# Altium PCB Thunderscope_Rev4.1.PCBDOC (part 6 of 7)
Units mm, origin at the board's own origin, x right, y up, seen from the top; angles counter-clockwise.
Board outline 119 x 103.6 mm, 6 copper layers (Top Layer, Int1 (GND), Int2 (Sign), Int3 (Sign), Int4 (GND), Bottom Layer), stack 1.49 mm thick; 657 components, 383 nets, 2206 pads, 1358 vias.
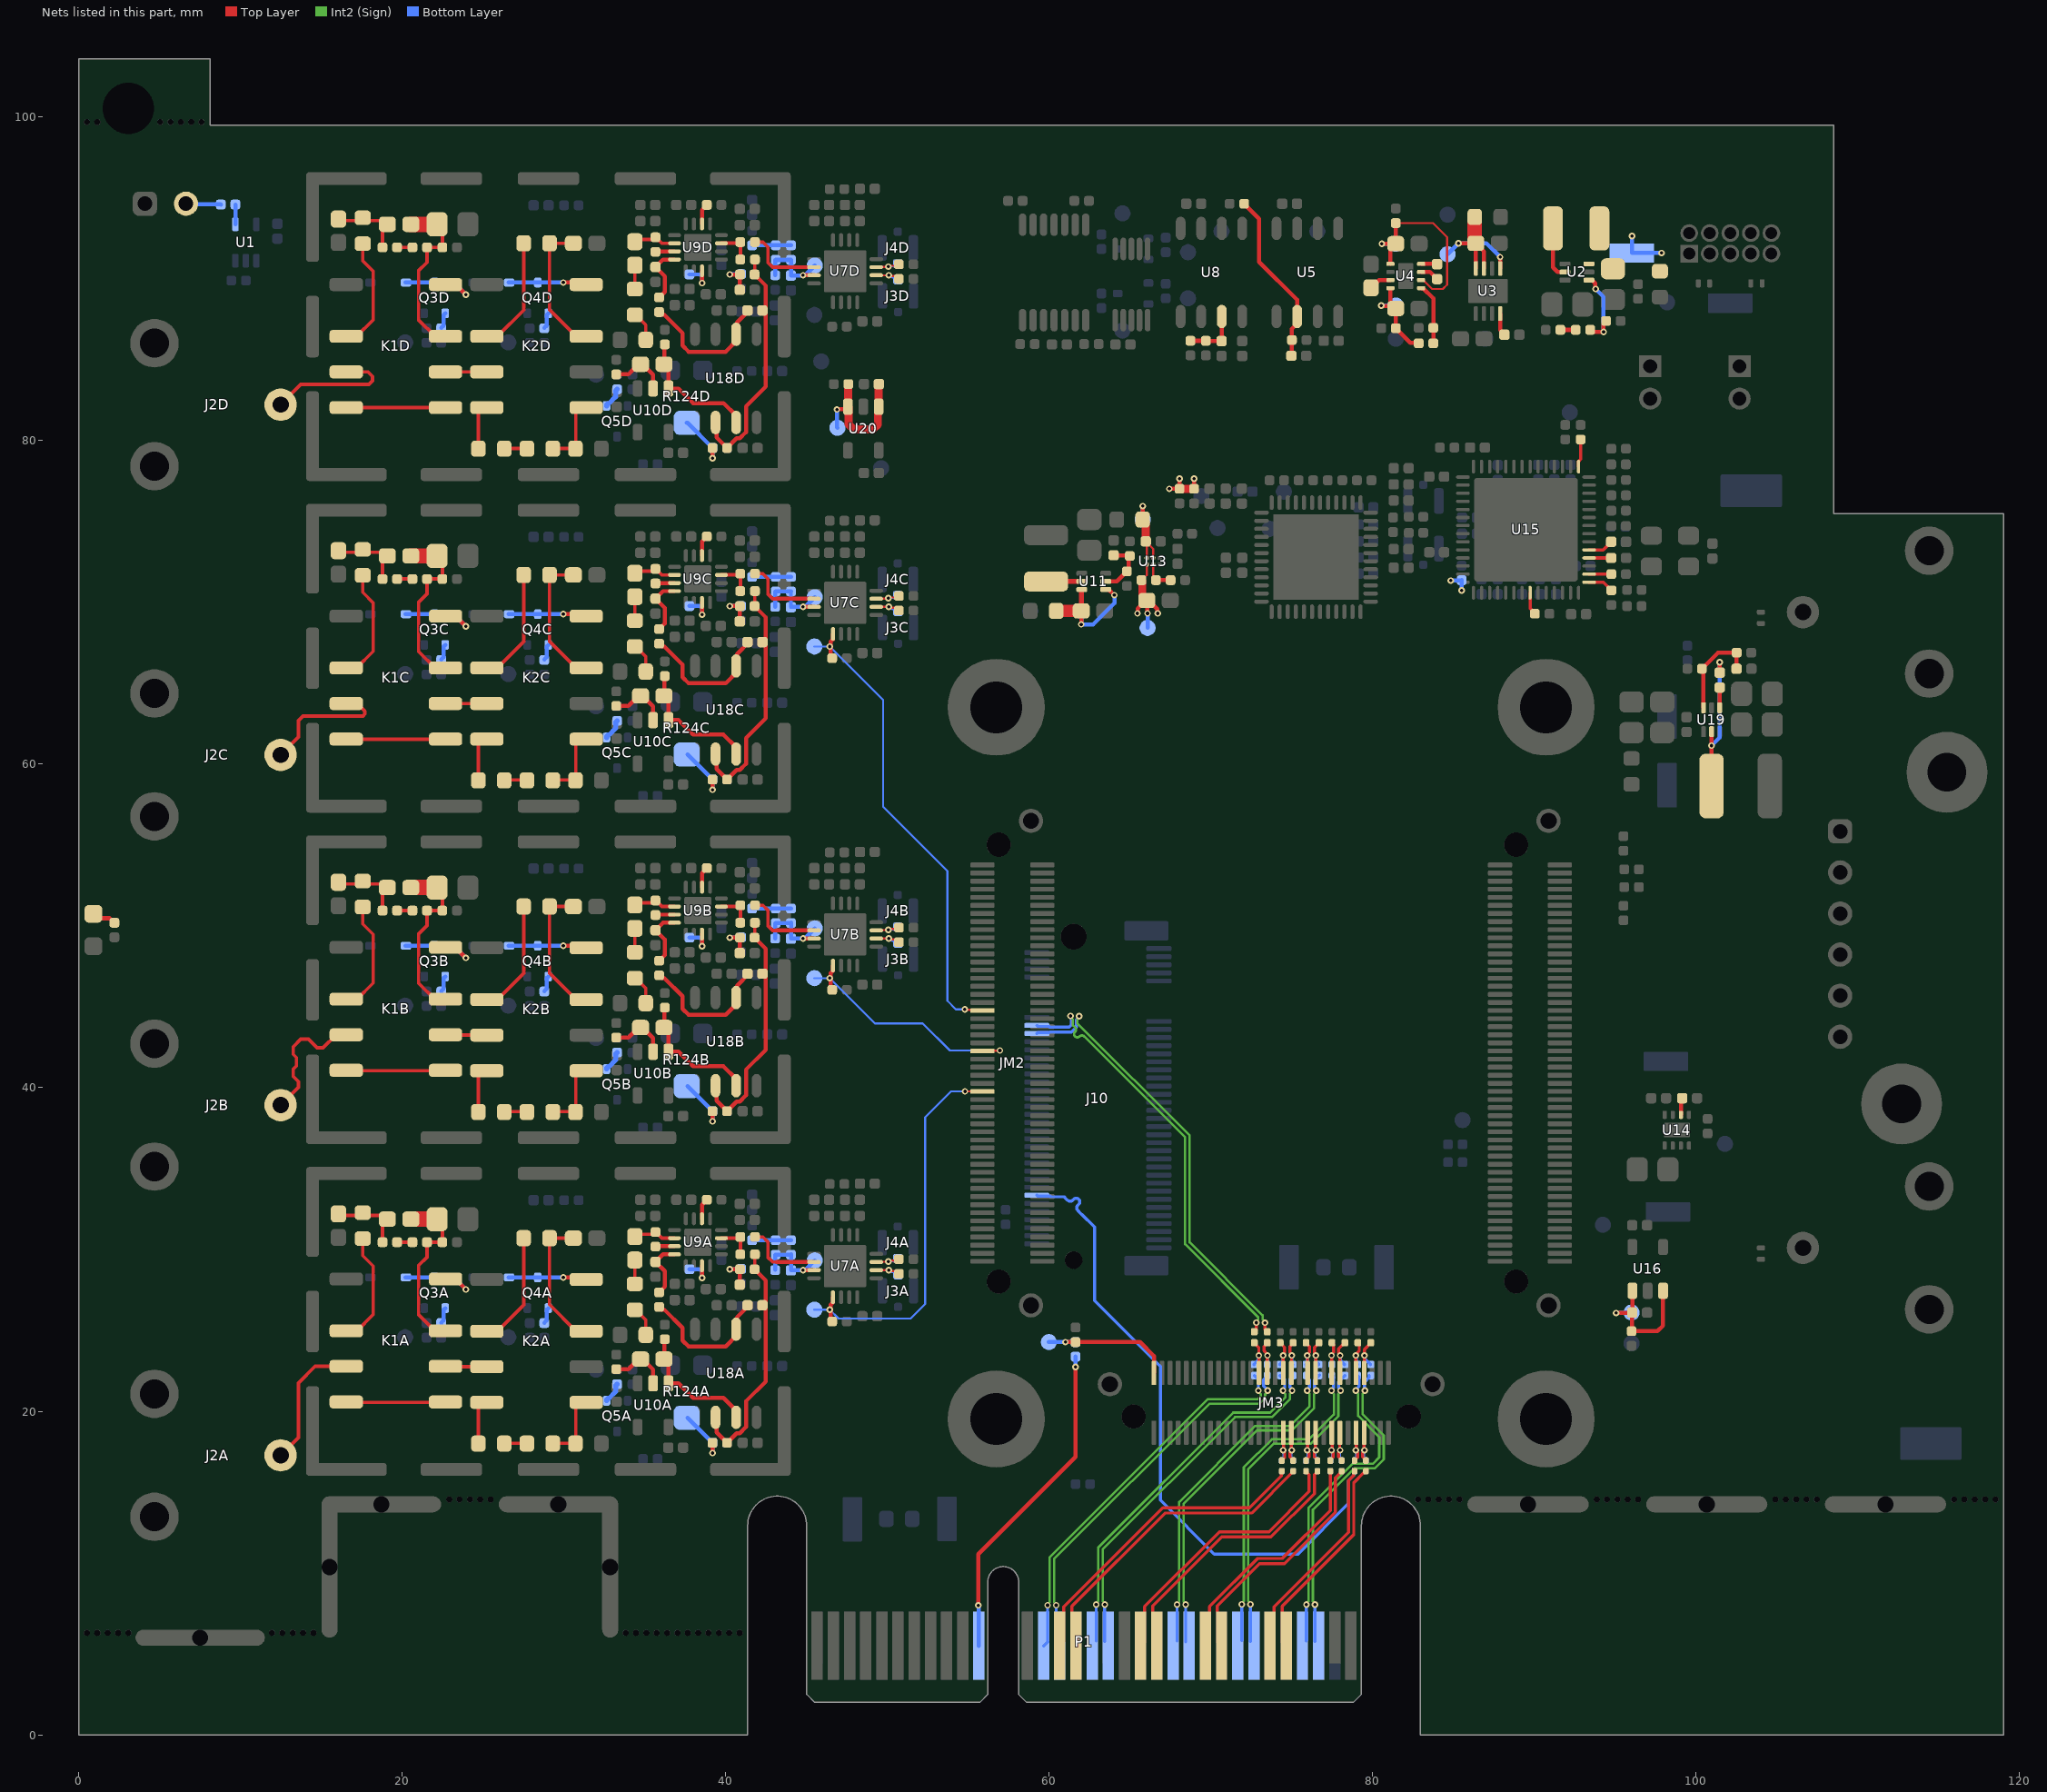
[diagram p10: the nets of this part, all layers, seen from the top]

## Via types
v1: diameter 0.406, hole 0.203, Top Layer to Bottom Layer, tented both sides, 1358 vias

## Nets (pads, with @x,y where several pads share a name; then routed paths per layer and width w, separated by ;. In a path a pad name is that pad's centre, name@x,y a point inside that pad or via, vN(x,y) a via of type N, cw(c..) or ccw(c..) an arc to the next point about the centre after c; other vN are vias at no path point) (continued)
M2_PET3_P: J10.14 R71.2 | length 40.1
  Bottom Layer w0.191: J10.14@59.225,33.35 59.282,33.293 60.069,33.293 60.103,33.259 60.916,33.259 61.062,33.112 61.13,33.045 ccw(c61.287,33.202) 61.444,33.045 61.504,33.104 cw(c61.661,32.947) 61.818,33.104 cw(c61.661,32.947) 61.818,32.79 61.759,32.73 ccw(c61.916,32.573) 61.759,32.416 61.932,32.242 62,32.175 62.793,31.382 62.793,26.832 66.868,22.757 66.868,14.507 70.199,11.175 75.375,11.175 78.506,14.306 78.506,15.72 78.809,16.023 78.809,16.234 R71.2@78.875,16.3
M2_REFCLK_N: C80.1 J10.54 | length 27.8
  Top Layer w0.191: v1(73.33,25.473) 73.33,25.361 73.342,25.35 73.342,25.048 C80.1@73.475,24.915
  Int2 (Sign) w0.148: v1(61.85,44.425) 61.85,44.355 61.725,44.23 61.725,44 68.675,37.05 68.675,30.439 73.187,25.927 73.187,25.687 73.33,25.543 v1(73.33,25.473)
  Bottom Layer w0.191: J10.54@59.225,43.35 59.282,43.407 59.982,43.407 60.016,43.441 61.36,43.441 61.676,43.757 61.676,44.192 61.85,44.367 v1(61.85,44.425)
M2_REFCLK_P: C81.1 J10.56 | length 27.7
  Top Layer w0.191: C81.1@72.675,24.915 72.808,25.048 72.808,25.462 72.82,25.473 v1(72.797,25.475) v1(72.797,25.475)
  Int2 (Sign) w0.148: v1(61.317,44.436) 61.317,44.366 61.45,44.233 61.45,44.054 61.45,43.886 61.593,43.743 cw(c61.451,43.601) 61.593,43.459 ccw(c61.735,43.317) 61.593,43.174 ccw(c61.735,43.317) 61.878,43.174 cw(c62.02,43.032) 62.162,43.175 62.214,43.122 68.4,36.936 68.4,30.325 72.912,25.813 72.912,25.659 72.797,25.545 v1(72.797,25.475)
  Bottom Layer w0.191: J10.56@59.225,43.85 59.282,43.793 59.982,43.793 60.016,43.759 61.229,43.759 61.358,43.888 61.358,44.395 v1(61.317,44.436)
MGT_CLK1_N: C40.2 C80.2 JM3.32 | length 2.6
  Top Layer w0.191: JM3.32@73.468,22.372 73.476,22.38 73.476,23.443 v1(73.485,23.452) 73.443,23.493 73.443,23.562 73.269,23.736 73.269,24.004 73.475,24.21 C80.2@73.475,24.235
  Bottom Layer w0.191: C40.2@73.45,22.89 73.463,22.903 73.463,23.431 v1(73.485,23.452)
MGT_CLK1_P: C79.2 C81.2 JM3.34 | length 2.7
  Top Layer w0.191: C81.2@72.675,24.235 72.675,24.22 72.951,23.944 v1(72.951,23.452) 72.96,23.443 72.96,22.38 JM3.34@72.968,22.372
  Bottom Layer w0.191: C79.2@72.65,22.89 72.65,22.905 72.764,23.019 72.779,23.019 72.926,23.166 72.926,23.427 v1(72.951,23.452)
MGT_RX0_N: JM3.7 R68.1 R70.1 | length 2.5
  Top Layer w0.191: JM3.7@79.468,18.672 79.452,18.656 79.452,17.624 v1(79.485,17.591) ; v1@79.485,17.533 79.375,17.423 79.375,17.175 R68.1@79.575,16.975
  Bottom Layer w0.191: v1(79.485,17.591) 79.485,17.533 79.432,17.481 79.432,17.118 79.575,16.975 R70.1@79.575,16.95
MGT_RX0_P: JM3.9 R69.1 R71.1 | length 2.5
  Top Layer w0.191: R69.1@78.875,16.975 79.057,17.157 79.057,17.427 v1@78.959,17.525 ; v1(78.951,17.591) 78.984,17.624 78.984,18.656 JM3.9@78.968,18.672
  Bottom Layer w0.191: R71.1@78.875,16.95 78.875,16.975 79.01,17.11 79.01,17.475 78.951,17.533 v1(78.951,17.591)
MGT_RX1_N: JM3.13 R72.1 R74.1 | length 2.5
  Top Layer w0.191: JM3.13@77.968,18.672 77.952,18.656 77.952,17.624 v1(77.985,17.591) ; v1@77.985,17.533 77.875,17.423 77.875,17.175 R72.1@78.075,16.975
  Bottom Layer w0.191: v1(77.985,17.591) 77.985,17.533 77.932,17.481 77.932,17.118 78.075,16.975 R74.1@78.075,16.95
MGT_RX1_P: JM3.15 R73.1 R75.1 | length 2.5
  Top Layer w0.191: R73.1@77.375,16.975 77.557,17.157 77.557,17.427 v1@77.459,17.525 ; v1(77.451,17.591) 77.484,17.624 77.484,18.656 JM3.15@77.468,18.672
  Bottom Layer w0.191: R75.1@77.375,16.95 77.375,16.975 77.51,17.11 77.51,17.475 77.451,17.533 v1(77.451,17.591)
MGT_RX2_N: JM3.19 R76.1 R78.1 | length 2.5
  Top Layer w0.191: JM3.19@76.468,18.672 76.452,18.656 76.452,17.624 v1(76.485,17.591) ; v1@76.493,17.541 76.383,17.432 76.383,17.183 R76.1@76.583,16.983
  Bottom Layer w0.191: v1(76.485,17.591) 76.485,17.533 76.432,17.481 76.432,17.118 76.575,16.975 R78.1@76.575,16.95
MGT_RX2_P: JM3.21 R77.1 R79.1 | length 2.5
  Top Layer w0.191: R77.1@75.883,16.983 76.066,17.166 76.066,17.436 v1@75.967,17.534 ; v1(75.951,17.591) 75.984,17.624 75.984,18.656 JM3.21@75.968,18.672
  Bottom Layer w0.191: R79.1@75.875,16.95 75.875,16.975 76.01,17.11 76.01,17.475 75.951,17.533 v1(75.951,17.591)
MGT_RX3_N: JM3.25 R80.1 R82.1 | length 2.6
  Top Layer w0.191: JM3.25@74.968,18.672 74.952,18.656 74.952,17.624 v1(74.985,17.591) 74.985,17.533 74.875,17.423 74.875,17.175 75.075,16.975 R80.1@75.075,16.95
  Bottom Layer w0.191: v1(74.985,17.591) 74.985,17.533 74.932,17.481 74.932,17.118 75.075,16.975 R82.1@75.075,16.95
MGT_RX3_P: JM3.27 R81.1 R83.1 | length 2.6
  Top Layer w0.191: R81.1@74.375,16.95 74.375,16.975 74.557,17.157 74.557,17.427 74.459,17.525 v1@74.459,17.591 ; v1(74.451,17.591) 74.484,17.624 74.484,18.656 JM3.27@74.468,18.672
  Bottom Layer w0.191: R83.1@74.375,16.95 74.375,16.975 74.51,17.11 74.51,17.475 74.451,17.533 v1(74.451,17.591)
MGT_TX0_N: C16.2 C62.2 JM3.8 | length 2.7
  Top Layer w0.191: JM3.8@79.476,22.38 79.476,23.822 79.875,24.22 C16.2@79.875,24.235
  Bottom Layer w0.191: v1(79.485,23.452) 79.526,23.411 79.526,23.214 79.721,23.019 79.736,23.019 79.85,22.905 C62.2@79.85,22.89
MGT_TX0_P: C15.2 C65.2 JM3.10 | length 2.6
  Top Layer w0.191: JM3.10@78.96,22.38 78.96,23.443 78.993,23.476 78.993,23.562 79.159,23.728 C65.2@79.159,24.176 ; C65.2@79.075,24.235 C65.2@79.159,24.151
  Bottom Layer w0.191: v1(78.951,23.452) 78.993,23.411 78.993,22.947 C15.2@79.05,22.89
MGT_TX1_N: C66.2 C68.2 JM3.14 | length 2.7
  Top Layer w0.191: JM3.14@77.976,22.38 v1@77.976,23.443 ; v1(77.985,23.452) 77.985,23.51 77.893,23.602 77.893,23.863 78.136,24.106 78.161,24.106 78.275,24.22 C68.2@78.275,24.235
  Bottom Layer w0.191: v1@77.987,23.436 77.992,23.431 77.992,23.148 78.121,23.019 78.136,23.019 78.25,22.905 C66.2@78.25,22.89
MGT_TX1_P: C67.2 C69.2 JM3.16 | length 2.5
  Top Layer w0.191: v1(77.451,23.452) 77.451,23.51 77.575,23.634 77.575,24.135 C69.2@77.475,24.235 ; JM3.16@77.46,22.38 v1@77.46,23.443
  Bottom Layer w0.191: C67.2@77.451,22.891 v1@77.451,23.451
MGT_TX2_N: C70.2 C72.2 JM3.20 | length 2.6
  Top Layer w0.191: JM3.20@76.476,22.38 v1@76.476,23.443 ; v1(76.485,23.452) 76.485,23.51 76.393,23.602 76.393,23.948 76.552,24.106 76.561,24.106 76.675,24.22 C72.2@76.675,24.235
  Bottom Layer w0.191: v1(76.485,23.452) 76.485,23.105 76.65,22.94 C70.2@76.65,22.89
MGT_TX2_P: C71.2 C73.2 JM3.22 | length 2.6
  Top Layer w0.191: v1@75.875,23.452 75.893,23.452 76.075,23.634 76.075,24.01 75.875,24.21 C73.2@75.875,24.235 ; JM3.22@75.96,22.38 v1@75.96,23.443
  Bottom Layer w0.191: C71.2@75.85,22.89 75.951,22.991 v1(75.951,23.452)
MGT_TX3_N: C74.2 C76.2 JM3.26 | length 2.6
  Top Layer w0.191: JM3.26@74.976,22.38 v1@74.976,23.443 ; v1(74.985,23.452) 74.985,23.51 74.868,23.627 74.868,24.003 75.075,24.21 C76.2@75.075,24.235
  Bottom Layer w0.191: v1(74.985,23.452) 74.985,22.955 C74.2@75.05,22.89
MGT_TX3_P: C75.2 C77.2 JM3.28 | length 2.7
  Top Layer w0.191: C77.2@74.275,24.235 74.275,24.22 74.389,24.106 74.398,24.106 74.55,23.955 74.55,23.609 74.447,23.506 v1@74.447,23.452 ; JM3.28@74.46,22.38 v1@74.46,23.443
  Bottom Layer w0.191: C75.2@74.25,22.89 74.25,22.915 74.451,23.116 v1(74.451,23.452)
NetC2_2: C2.2 L1.1 R3.1 TP3.1 U2.3 | length 2.9
  Bottom Layer w0.254: v1(96.025,92.65) TP3.1@96.025,91.6 v1(97.85,91.6)
NetC4_2: C4.2 U14.6 | length 1.1
  Top Layer w0.254: U14.6@99.05,38.325 99.052,38.327 99.052,39.287 C4.2@99.115,39.35
NetC5_2: C5.2 R9.1 R11.2 TP12.1 U4.4 | length 6.1
  Top Layer w0.254: v1(80.525,88.35) 80.554,88.321 C5.2@81.27,88.321 ; U4.4@81.091,89.426 81.091,88.501 C5.2@81.27,88.321 ; R11.2@82.841,86.026 82.815,86.051 82.324,86.051 R9.1@81.425,86.95 81.42,86.955 81.42,88.171 C5.2@81.416,88.176 C5.2@81.27,88.321
  Bottom Layer w0.254: v1(80.525,88.35) TP12.1@81.425,88.35
NetC6_2: C6.2 R7.2 TP9.1 U3.5 U3.7 U3.8 | length 10.5
  Top Layer w0.25: U3.8@86.373,90.647 C6.2@86.373,92.187 ; C6.2@86.378,92.2 86.875,91.703 U3.7@86.875,90.645 ; U3.5@87.875,90.645 v1(87.875,91.35)
  Top Layer w0.254: v1@85.45,92.2 C6.2@86.37,92.2 ; U3.8@86.373,90.647 U3.8@86.375,90.645 ; C6.2@86.373,92.187 86.373,92.197 C6.2@86.37,92.2 ; C6.2@86.378,92.2 C6.2@86.37,92.2
  Top Layer w0.9: R7.2@86.305,93.825 86.305,92.225 86.33,92.2 C6.2@86.37,92.2
  Bottom Layer w0.254: TP9.1@84.625,91.525 v1(85.3,92.2) ; v1@85.295,92.2 87.025,92.2 v1(87.875,91.35)
NetC8_2: C8.2 R8.2 TP11.1 U4.1 U4.6 | length 12.8
  Top Layer w0.127: R8.2@81.425,93.45 83.725,93.45 84.6,92.575 84.6,89.65 84.325,89.375 83.666,89.375 83.116,89.926 U4.6@82.991,89.926
  Top Layer w0.254: v1(80.56,92.175) C8.2@81.416,92.176 81.091,91.851 U4.1@81.091,90.926 ; C8.2@81.416,92.176 81.42,92.18 81.42,93.445 R8.2@81.425,93.45
  Bottom Layer w0.254: v1(80.56,92.175) TP11.1@81.4,92.175
NetC9_1: C9.1 U4.7 | length 1.2
  Top Layer w0.254: U4.7@82.991,90.426 83.539,90.426 C9.1@83.975,89.99
NetC9_2: C9.2 U4.8 | length 1
  Top Layer w0.254: U4.8@82.991,90.926 82.993,90.924 83.961,90.924 C9.2@83.975,90.91
NetC10_2: C10.2 U3.4 | length 1.4
  Top Layer w0.254: U3.4@87.875,87.855 87.875,86.833 88.14,86.568 C10.2@88.14,86.55
NetC11_2: C11.2 U4.3 | length 1.4
  Top Layer w0.254: C11.2@79.891,89.451 79.9,89.451 80.375,89.926 U4.3@81.091,89.926
NetC19_2: C19.2 R24.1 R25.2 U8.3 | length 3.5
  Top Layer w0.254: R24.1@68.725,86.175 R25.2@69.675,86.175 69.682,86.168 70.643,86.168 C19.2@70.65,86.16 70.655,86.165 70.655,87.67 U8.3@70.66,87.675
NetC20A_1: C20A.1 K2A.7 R31A.2 | length 8.5
  Top Layer w0.213: C20A.1@30.575,30.7 R31A.2@29.1,30.7 29.1,26.585 30.735,24.95 K2A.7@31.365,24.95
NetC20B_1: C20B.1 K2B.7 R31B.2 | length 8.5
  Top Layer w0.213: C20B.1@30.575,51.2 R31B.2@29.1,51.2 29.1,47.085 30.735,45.45 K2B.7@31.365,45.45
NetC20C_1: C20C.1 K2C.7 R31C.2 | length 8.5
  Top Layer w0.213: C20C.1@30.575,71.7 R31C.2@29.1,71.7 29.1,67.585 30.735,65.95 K2C.7@31.365,65.95
NetC20D_1: C20D.1 K2D.7 R31D.2 | length 8.5
  Top Layer w0.213: C20D.1@30.575,92.2 R31D.2@29.1,92.2 29.1,88.085 30.735,86.45 K2D.7@31.365,86.45
NetC21A_1: C21A.1 C23A.2 K1A.7 R33A.2 R35A.2 | length 10.3
  Top Layer w0.213: K1A.7@22.025,24.95 21,25.975 21,29 21.525,29.525 R33A.2@21.525,30.45 22.475,30.45 C23A.2@22.475,31.55
  Top Layer w0.254: C23A.2@22.15,31.875 C23A.2@22.475,31.55
  Top Layer w0.95: C21A.1@20.525,31.875 C23A.2@22.15,31.875
NetC21A_2: C21A.2 C22A.2 R32A.1 R43A.1 | length 4.7
  Top Layer w0.213: C22A.2@16.05,32.2 16.15,32.1 18.85,32.1 C21A.2@19.075,31.875 18.775,31.575 R32A.1@18.775,30.45
NetC21B_1: C21B.1 C23B.2 K1B.7 R33B.2 R35B.2 | length 10.3
  Top Layer w0.213: K1B.7@22.025,45.45 21,46.475 21,49.5 21.525,50.025 R33B.2@21.525,50.95 22.475,50.95 C23B.2@22.475,52.05
  Top Layer w0.254: C23B.2@22.15,52.375 C23B.2@22.475,52.05
  Top Layer w0.95: C21B.1@20.525,52.375 C23B.2@22.15,52.375
NetC21B_2: C21B.2 C22B.2 R32B.1 R43B.1 | length 4.7
  Top Layer w0.213: C22B.2@16.05,52.7 16.15,52.6 18.85,52.6 C21B.2@19.075,52.375 18.775,52.075 R32B.1@18.775,50.95
NetC21C_1: C21C.1 C23C.2 K1C.7 R33C.2 R35C.2 | length 10.3
  Top Layer w0.213: K1C.7@22.025,65.95 21,66.975 21,70 21.525,70.525 R33C.2@21.525,71.45 22.475,71.45 C23C.2@22.475,72.55
  Top Layer w0.254: C23C.2@22.15,72.875 C23C.2@22.475,72.55
  Top Layer w0.95: C21C.1@20.525,72.875 C23C.2@22.15,72.875
NetC21C_2: C21C.2 C22C.2 R32C.1 R43C.1 | length 4.7
  Top Layer w0.213: C22C.2@16.05,73.2 16.15,73.1 18.85,73.1 C21C.2@19.075,72.875 18.775,72.575 R32C.1@18.775,71.45
NetC21D_1: C21D.1 C23D.2 K1D.7 R33D.2 R35D.2 | length 10.3
  Top Layer w0.213: K1D.7@22.025,86.45 21,87.475 21,90.5 21.525,91.025 R33D.2@21.525,91.95 22.475,91.95 C23D.2@22.475,93.05
  Top Layer w0.254: C23D.2@22.15,93.375 C23D.2@22.475,93.05
  Top Layer w0.95: C21D.1@20.525,93.375 C23D.2@22.15,93.375
NetC21D_2: C21D.2 C22D.2 R32D.1 R43D.1 | length 4.7
  Top Layer w0.213: C22D.2@16.05,93.7 16.15,93.6 18.85,93.6 C21D.2@19.075,93.375 18.775,93.075 R32D.1@18.775,91.95
NetC26A_1: C26A.1 R65A.2 U9A.2 | length 2.8
  Top Layer w0.213: C26A.1@34.375,30.911 C26A.1@34.375,30.8 34.513,30.938 35.512,30.938 R65A.2@35.65,31.075 35.664,31.075 36.039,30.7 U9A.2@36.825,30.7
NetC26A_2: C26A.2 R54A.2 | length 1.5
  Top Layer w0.213: R54A.2@34.375,27.875 C26A.2@34.375,29.35
NetC26B_1: C26B.1 R65B.2 U9B.2 | length 2.8
  Top Layer w0.213: C26B.1@34.375,51.411 C26B.1@34.375,51.3 34.513,51.438 35.512,51.438 R65B.2@35.65,51.575 35.664,51.575 36.039,51.2 U9B.2@36.825,51.2
NetC26B_2: C26B.2 R54B.2 | length 1.5
  Top Layer w0.213: R54B.2@34.375,48.375 C26B.2@34.375,49.85
NetC26C_1: C26C.1 R65C.2 U9C.2 | length 2.8
  Top Layer w0.213: C26C.1@34.375,71.911 C26C.1@34.375,71.8 34.513,71.938 35.512,71.938 R65C.2@35.65,72.075 35.664,72.075 36.039,71.7 U9C.2@36.825,71.7
NetC26C_2: C26C.2 R54C.2 | length 1.5
  Top Layer w0.213: R54C.2@34.375,68.875 C26C.2@34.375,70.35
NetC26D_1: C26D.1 R65D.2 U9D.2 | length 2.8
  Top Layer w0.213: C26D.1@34.375,92.411 C26D.1@34.375,92.3 34.513,92.438 35.512,92.438 R65D.2@35.65,92.575 35.664,92.575 36.039,92.2 U9D.2@36.825,92.2
NetC26D_2: C26D.2 R54D.2 | length 1.5
  Top Layer w0.213: R54D.2@34.375,89.375 C26D.2@34.375,90.85
NetC27A_1: C27A.1 R96A.1 U10A.2 | length 3.6
  Top Layer w0.254: R96A.1@33.225,22.6 33.975,22.6 34.32,22.945 34.335,22.945 34.725,23.335 34.725,23.35 35.493,22.582 35.493,21.857 U10A.2@35.5,21.85
NetC27A_2: C27A.2 R122A.2 U10A.1 U18A.3 | length 7.6
  Top Layer w0.25: 38.5,20.825 39.86,20.825 40.635,20.05 U18A.3@40.635,19.625
  Top Layer w0.254: C27A.2@36.175,23.225 36.2,23.25 36.2,24.425 R122A.2@36.225,24.45 ; U10A.1@36.45,21.725 37.075,21.725 37.975,20.825 38.5,20.825 ; U10A.1@36.45,22.062 C27A.2@36.45,23.075
NetC27B_1: C27B.1 R96B.1 U10B.2 | length 3.6
  Top Layer w0.254: R96B.1@33.225,43.1 33.975,43.1 34.32,43.445 34.335,43.445 34.725,43.835 34.725,43.85 35.493,43.082 35.493,42.357 U10B.2@35.5,42.35
NetC27B_2: C27B.2 R122B.2 U10B.1 U18B.3 | length 7.6
  Top Layer w0.25: 38.5,41.325 39.86,41.325 40.635,40.55 U18B.3@40.635,40.125
  Top Layer w0.254: C27B.2@36.175,43.725 36.2,43.75 36.2,44.925 R122B.2@36.225,44.95 ; U10B.1@36.45,42.225 37.075,42.225 37.975,41.325 38.5,41.325 ; U10B.1@36.45,42.562 C27B.2@36.45,43.575
NetC27C_1: C27C.1 R96C.1 U10C.2 | length 3.6
  Top Layer w0.254: R96C.1@33.225,63.6 33.975,63.6 34.32,63.945 34.335,63.945 34.725,64.335 34.725,64.35 35.493,63.582 35.493,62.857 U10C.2@35.5,62.85
NetC27C_2: C27C.2 R122C.2 U10C.1 U18C.3 | length 7.6
  Top Layer w0.25: 38.5,61.825 39.86,61.825 40.635,61.05 U18C.3@40.635,60.625
  Top Layer w0.254: C27C.2@36.175,64.225 36.2,64.25 36.2,65.425 R122C.2@36.225,65.45 ; U10C.1@36.45,62.725 37.075,62.725 37.975,61.825 38.5,61.825 ; U10C.1@36.45,63.062 C27C.2@36.45,64.075
NetC27D_1: C27D.1 R96D.1 U10D.2 | length 3.6
  Top Layer w0.254: R96D.1@33.225,84.1 33.975,84.1 34.32,84.445 34.335,84.445 34.725,84.835 34.725,84.85 35.493,84.082 35.493,83.357 U10D.2@35.5,83.35
NetC27D_2: C27D.2 R122D.2 U10D.1 U18D.3 | length 7.6
  Top Layer w0.25: 38.5,82.325 39.86,82.325 40.635,81.55 U18D.3@40.635,81.125
  Top Layer w0.254: C27D.2@36.175,84.725 36.2,84.75 36.2,85.925 R122D.2@36.225,85.95 ; U10D.1@36.45,83.225 37.075,83.225 37.975,82.325 38.5,82.325 ; U10D.1@36.45,83.562 C27D.2@36.45,84.575
NetC28A_1: C28A.1 FB4A.1 R99A.1 | length 2.4
  Top Layer w0.25: R99A.1@40.875,28.775 40.87,28.77 40.87,27.83 C28A.1@40.865,27.825 C28A.1@40.92,27.77
  Top Layer w0.254: v1(40.25,28.775) 40.865,28.775 R99A.1@40.87,28.77
  Bottom Layer w0.254: v1(40.25,28.775) 40.263,28.787 40.938,28.787 FB4A.1@40.95,28.8
NetC28B_1: C28B.1 FB4B.1 R99B.1 | length 2.4
  Top Layer w0.25: R99B.1@40.875,49.275 40.87,49.27 40.87,48.33 C28B.1@40.865,48.325 C28B.1@40.92,48.27
  Top Layer w0.254: v1(40.25,49.275) 40.865,49.275 R99B.1@40.87,49.27
  Bottom Layer w0.254: v1(40.25,49.275) 40.263,49.287 40.938,49.287 FB4B.1@40.95,49.3
NetC28C_1: C28C.1 FB4C.1 R99C.1 | length 2.4
  Top Layer w0.25: R99C.1@40.875,69.775 40.87,69.77 40.87,68.83 C28C.1@40.865,68.825 C28C.1@40.92,68.77
  Top Layer w0.254: v1(40.25,69.775) 40.865,69.775 R99C.1@40.87,69.77
  Bottom Layer w0.254: v1(40.25,69.775) 40.263,69.788 40.938,69.788 FB4C.1@40.95,69.8
NetC28D_1: C28D.1 FB4D.1 R99D.1 | length 2.4
  Top Layer w0.25: R99D.1@40.875,90.275 40.87,90.27 40.87,89.33 C28D.1@40.865,89.325 C28D.1@40.92,89.27
  Top Layer w0.254: v1(40.25,90.275) 40.865,90.275 R99D.1@40.87,90.27
  Bottom Layer w0.254: v1(40.25,90.275) 40.263,90.288 40.938,90.288 FB4D.1@40.95,90.3
NetC29A_2: C29A.2 R100A.1 U9A.4 | length 3.6
  Top Layer w0.25: R100A.1@35.875,27.35 36.225,27.7 36.225,28.66 C29A.2@35.65,29.235 35.656,29.235 36.121,29.7 U9A.4@36.825,29.7
NetC29B_2: C29B.2 R100B.1 U9B.4 | length 3.6
  Top Layer w0.25: R100B.1@35.875,47.85 36.225,48.2 36.225,49.16 C29B.2@35.65,49.735 35.656,49.735 36.121,50.2 U9B.4@36.825,50.2
NetC29C_2: C29C.2 R100C.1 U9C.4 | length 3.6
  Top Layer w0.25: R100C.1@35.875,68.35 36.225,68.7 36.225,69.66 C29C.2@35.65,70.235 35.656,70.235 36.121,70.7 U9C.4@36.825,70.7
NetC29D_2: C29D.2 R100D.1 U9D.4 | length 3.6
  Top Layer w0.25: R100D.1@35.875,88.85 36.225,89.2 36.225,90.16 C29D.2@35.65,90.735 35.656,90.735 36.121,91.2 U9D.4@36.825,91.2
NetC30A_1: C30A.1 R100A.2 U18A.6 | length 8.7
  Top Layer w0.254: R100A.2@35.875,26.45 36.034,26.291 36.184,26.291 37.325,25.15 37.325,24.375 37.7,24 39.985,24 40.701,24.716 40.701,25.811 C30A.1@41.44,26.55
NetC30A_2: C30A.2 R98A.1 R99A.2 R121A.2 U18A.2 | length 15.4
  Top Layer w0.213: R99A.2@41.788,28.788 R98A.1@41.788,29.688
  Top Layer w0.25: R99A.2@41.775,28.775 42.475,28.075 C30A.2@42.475,26.765 ; C30A.2@42.26,26.55 C30A.2@42.475,26.765 ; 42.475,26.1 C30A.2@42.475,26.765
  Top Layer w0.254: U18A.2@39.365,19.625 39.431,19.559 39.431,18.694 R121A.2@40.075,18.05 40.671,18.646 40.864,18.646 41.245,19.026 41.245,20.62 42.475,21.85 42.475,26.1 ; C30A.2@42.459,26.451 C30A.2@42.459,26.649
NetC30B_1: C30B.1 R100B.2 U18B.6 | length 8.7
  Top Layer w0.254: R100B.2@35.875,46.95 36.034,46.791 36.184,46.791 37.325,45.65 37.325,44.875 37.7,44.5 39.985,44.5 40.701,45.216 40.701,46.311 C30B.1@41.44,47.05
NetC30B_2: C30B.2 R98B.1 R99B.2 R121B.2 U18B.2 | length 15.4
  Top Layer w0.213: R99B.2@41.788,49.288 R98B.1@41.788,50.188
  Top Layer w0.25: R99B.2@41.775,49.275 42.475,48.575 C30B.2@42.475,47.265 ; C30B.2@42.26,47.05 C30B.2@42.475,47.265 ; 42.475,46.6 C30B.2@42.475,47.265
  Top Layer w0.254: U18B.2@39.365,40.125 39.431,40.059 39.431,39.194 R121B.2@40.075,38.55 40.671,39.146 40.864,39.146 41.245,39.526 41.245,41.12 42.475,42.35 42.475,46.6 ; C30B.2@42.459,46.951 C30B.2@42.459,47.149
NetC30C_1: C30C.1 R100C.2 U18C.6 | length 8.7
  Top Layer w0.254: R100C.2@35.875,67.45 36.034,67.291 36.184,67.291 37.325,66.15 37.325,65.375 37.7,65 39.985,65 40.701,65.716 40.701,66.811 C30C.1@41.44,67.55
NetC30C_2: C30C.2 R98C.1 R99C.2 R121C.2 U18C.2 | length 15.4
  Top Layer w0.213: R99C.2@41.788,69.788 R98C.1@41.788,70.688
  Top Layer w0.25: R99C.2@41.775,69.775 42.475,69.075 C30C.2@42.475,67.765 ; C30C.2@42.26,67.55 C30C.2@42.475,67.765 ; 42.475,67.1 C30C.2@42.475,67.765
  Top Layer w0.254: U18C.2@39.365,60.625 39.431,60.559 39.431,59.694 R121C.2@40.075,59.05 40.671,59.646 40.864,59.646 41.245,60.026 41.245,61.62 42.475,62.85 42.475,67.1 ; C30C.2@42.459,67.451 C30C.2@42.459,67.649
NetC30D_1: C30D.1 R100D.2 U18D.6 | length 8.7
  Top Layer w0.254: R100D.2@35.875,87.95 36.034,87.791 36.184,87.791 37.325,86.65 37.325,85.875 37.7,85.5 39.985,85.5 40.701,86.216 40.701,87.311 C30D.1@41.44,88.05
NetC30D_2: C30D.2 R98D.1 R99D.2 R121D.2 U18D.2 | length 15.4
  Top Layer w0.213: R99D.2@41.775,90.275 41.788,90.288 41.788,91.188 R98D.1@41.8,91.2
  Top Layer w0.25: R99D.2@41.775,90.275 42.475,89.575 C30D.2@42.475,88.265 ; C30D.2@42.26,88.05 C30D.2@42.475,88.265 ; 42.475,87.6 C30D.2@42.475,88.265
  Top Layer w0.254: U18D.2@39.365,81.125 39.431,81.059 39.431,80.194 R121D.2@40.075,79.55 40.671,80.146 40.864,80.146 41.245,80.526 41.245,82.12 42.475,83.35 42.475,87.6 ; C30D.2@42.459,87.951 C30D.2@42.459,88.149
NetC31A_1: C31A.1 FB7A.2 R118A.1 R119A.2 TP25A.1 U7A.7 | length 5.3
  Top Layer w0.25: v1@44.761,28.725 v1(44.775,28.725) U7A.7@45.45,28.725
  Bottom Layer w0.254: FB7A.2@43.062,28.737 R118A.1@43.062,29.662 ; R118A.1@43.075,29.675 R119A.2@44.025,29.675 ; R119A.2@44.025,29.7 44.025,28.735 44.03,28.73 44.77,28.73 v1(44.775,28.725) 44.804,28.754 44.929,28.754 TP25A.1@45.5,29.325
NetC31B_1: C31B.1 FB7B.2 R118B.1 R119B.2 TP25B.1 U7B.7 | length 5.3
  Top Layer w0.25: v1@44.761,49.225 v1(44.775,49.225) U7B.7@45.45,49.225
  Bottom Layer w0.254: FB7B.2@43.062,49.237 R118B.1@43.062,50.162 ; R118B.1@43.075,50.175 R119B.2@44.025,50.175 ; R119B.2@44.025,50.2 44.025,49.235 44.03,49.23 44.77,49.23 v1(44.775,49.225) 44.804,49.254 44.904,49.254 TP25B.1@45.5,49.85
NetC31C_1: C31C.1 FB7C.2 R118C.1 R119C.2 TP25C.1 U7C.7 | length 5.3